# KiCad board GDI-6ch.kicad_pcb (continued)
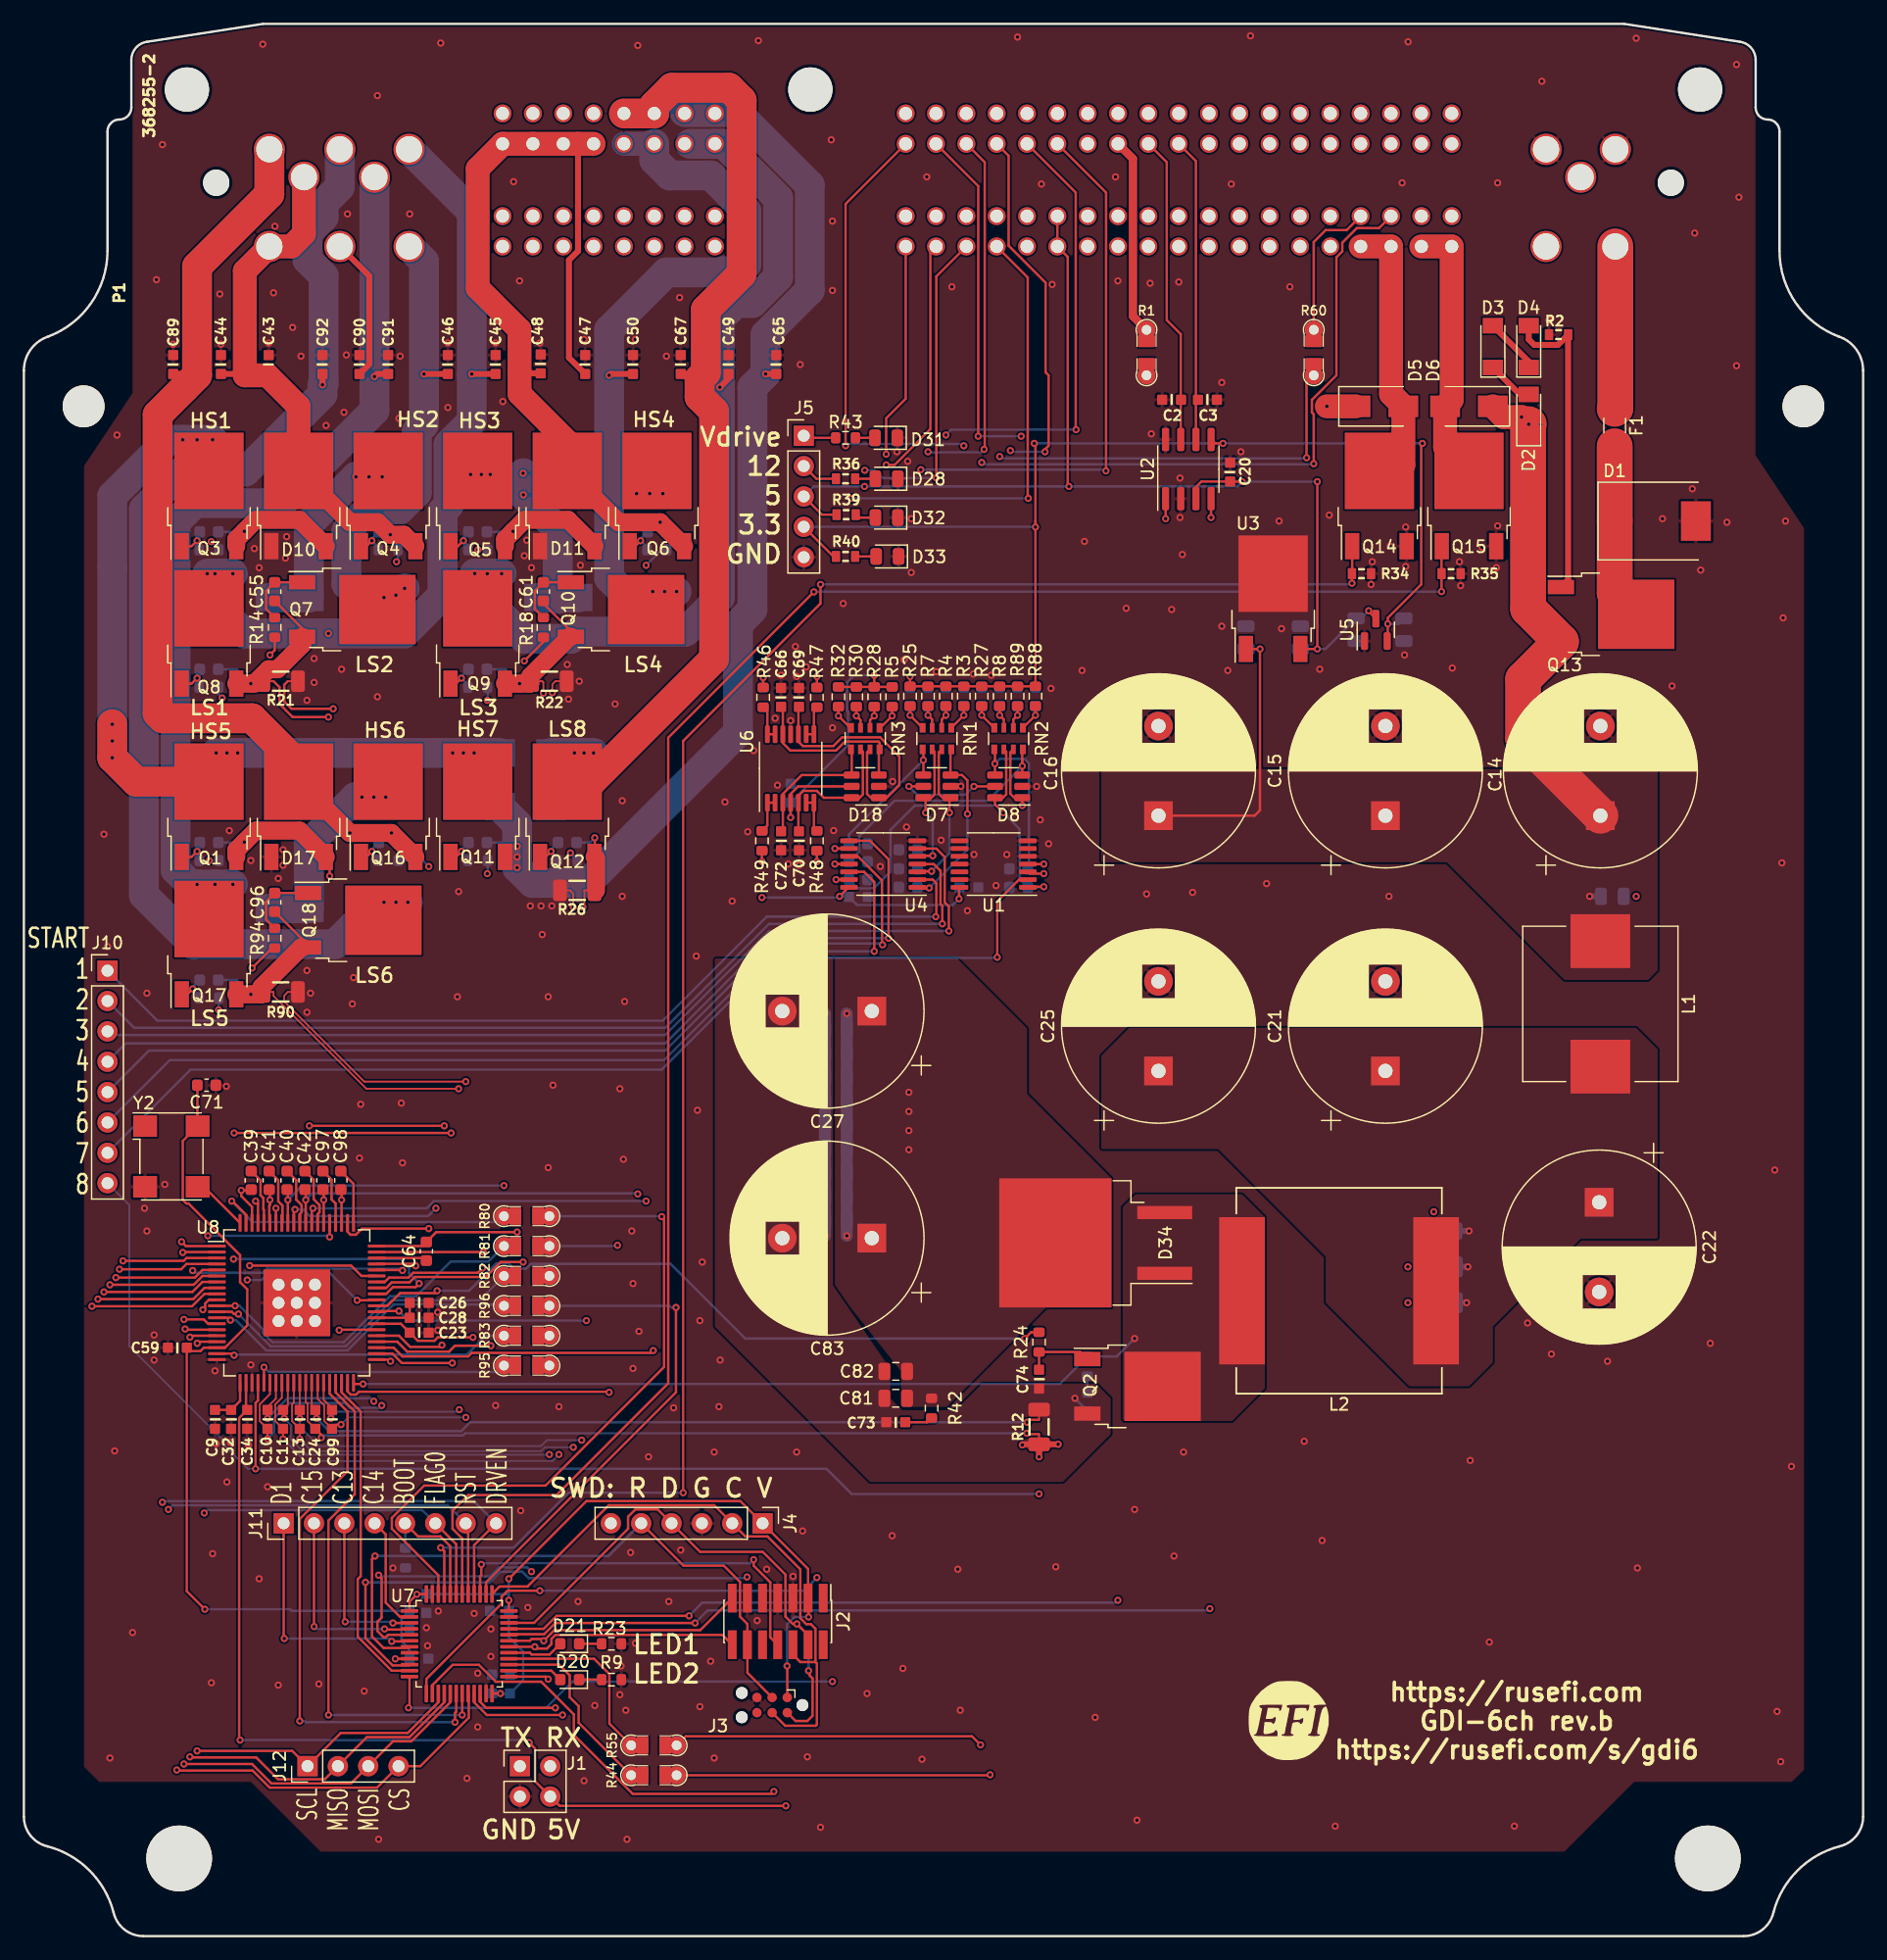
[diagram p0: board, top side]
## Footprints (pads in the part's own frame, mm; a bottom-side part is the same pattern mirrored in y, then rotated)
C0603
  rrect 0.85x0.85 smd: 1(-0.79,0) 2(0.79,0)
C_0603_1608Metric
  rrect 0.9x0.95 smd: 1(-0.775,0) 2(0.775,0)
C_0805_2012Metric
  rrect 1x1.45 smd: 1(-0.95,0) 2(0.95,0)
CP_Radial_D16.0mm_P7.50mm
  rect 2.4x2.4 hole 1.2: 1(0,0)
  round 2.4 hole 1.2: 2(7.5,0)
D_MiniMELF
  rect 1.3x1.7 smd: 1(-1.75,0) 2(1.75,0)
D_SMA
  rect 2.5x1.8 smd: 1(-2,0) 2(2,0)
D_SMB
  rect 2.5x2.3 smd: 1(-2.15,0) 2(2.15,0)
D_SMC
  rect 2.5x3.3 smd: 1(-3.4,0) 2(3.4,0)
Fuse_1206_3216Metric
  rrect 1.25x1.75 smd: 1(-1.4,0) 2(1.4,0)
L_Vishay_IHLP-6767
  rect 3.825x12.32 smd: 1(-8.123,0) 2(8.123,0)
L_Wuerth_HCI-1350
  rect 4.5x5 smd: 1(-5.25,0) 2(5.25,0)
LED_0603_1608Metric
  rrect 0.875x0.95 smd: 1(-0.787,0) 2(0.787,0)
LED_0805_2012Metric
  rrect 0.975x1.4 smd: 1(-0.938,0) 2(0.938,0)
LQFP-48_7x7mm_P0.5mm
  rrect 1.475x0.3 smd: 1(-4.162,2.75) 2(-4.162,2.25) 3(-4.162,1.75) 4(-4.162,1.25) 5(-4.162,0.75) 6(-4.162,0.25) 7(-4.162,-0.25) 8(-4.162,-0.75) 9(-4.162,-1.25) 10(-4.162,-1.75) 11(-4.162,-2.25) 12(-4.162,-2.75) 25(4.162,-2.75) 26(4.162,-2.25) 27(4.162,-1.75) 28(4.162,-1.25) 29(4.162,-0.75) 30(4.162,-0.25) 31(4.162,0.25) 32(4.162,0.75) 33(4.162,1.25) 34(4.162,1.75) 35(4.162,2.25) 36(4.162,2.75)
  rrect 0.3x1.475 smd: 13(-2.75,-4.162) 14(-2.25,-4.162) 15(-1.75,-4.162) 16(-1.25,-4.162) 17(-0.75,-4.162) 18(-0.25,-4.162) 19(0.25,-4.162) 20(0.75,-4.162) 21(1.25,-4.162) 22(1.75,-4.162) 23(2.25,-4.162) 24(2.75,-4.162) 37(2.75,4.162) 38(2.25,4.162) 39(1.75,4.162) 40(1.25,4.162) 41(0.75,4.162) 42(0.25,4.162) 43(-0.25,4.162) 44(-0.75,4.162) 45(-1.25,4.162) 46(-1.75,4.162) 47(-2.25,4.162) 48(-2.75,4.162)
LQFP-80-1EP_12x12mm_P0.5mm
  custom 0.564x0.564 smd: (-2.15,2.15) (-2.15,-2.15) (2.15,2.15) (2.15,-2.15)
  custom 0.564x0.967 smd: (-2.15,1.2) (-2.15,0) (-2.15,-1.2) (2.15,1.2) (2.15,0) (2.15,-1.2)
  custom 0.967x0.564 smd: (-1.2,2.15) (-1.2,-2.15) (0,2.15) (0,-2.15) (1.2,2.15) (1.2,-2.15)
  rrect 0.967x0.967 smd: (-1.2,1.2) (-1.2,0) (-1.2,-1.2) (0,1.2) (0,0) (0,-1.2) (1.2,1.2) (1.2,0) (1.2,-1.2)
  rrect 1.475x0.25 smd: 1(-6.688,4.75) 2(-6.688,4.25) 3(-6.688,3.75) 4(-6.688,3.25) 5(-6.688,2.75) 6(-6.688,2.25) 7(-6.688,1.75) 8(-6.688,1.25) 9(-6.688,0.75) 10(-6.688,0.25) 11(-6.688,-0.25) 12(-6.688,-0.75) 13(-6.688,-1.25) 14(-6.688,-1.75) 15(-6.688,-2.25) 16(-6.688,-2.75) 17(-6.688,-3.25) 18(-6.688,-3.75) 19(-6.688,-4.25) 20(-6.688,-4.75) 41(6.688,-4.75) 42(6.688,-4.25) 43(6.688,-3.75) 44(6.688,-3.25) 45(6.688,-2.75) 46(6.688,-2.25) 47(6.688,-1.75) 48(6.688,-1.25) 49(6.688,-0.75) 50(6.688,-0.25) 51(6.688,0.25) 52(6.688,0.75) 53(6.688,1.25) 54(6.688,1.75) 55(6.688,2.25) 56(6.688,2.75) 57(6.688,3.25) 58(6.688,3.75) 59(6.688,4.25) 60(6.688,4.75)
  rrect 0.25x1.475 smd: 21(-4.75,-6.688) 22(-4.25,-6.688) 23(-3.75,-6.688) 24(-3.25,-6.688) 25(-2.75,-6.688) 26(-2.25,-6.688) 27(-1.75,-6.688) 28(-1.25,-6.688) 29(-0.75,-6.688) 30(-0.25,-6.688) 31(0.25,-6.688) 32(0.75,-6.688) 33(1.25,-6.688) 34(1.75,-6.688) 35(2.25,-6.688) 36(2.75,-6.688) 37(3.25,-6.688) 38(3.75,-6.688) 39(4.25,-6.688) 40(4.75,-6.688) 61(4.75,6.688) 62(4.25,6.688) 63(3.75,6.688) 64(3.25,6.688) 65(2.75,6.688) 66(2.25,6.688) 67(1.75,6.688) 68(1.25,6.688) 69(0.75,6.688) 70(0.25,6.688) 71(-0.25,6.688) 72(-0.75,6.688) 73(-1.25,6.688) 74(-1.75,6.688) 75(-2.25,6.688) 76(-2.75,6.688) 77(-3.25,6.688) 78(-3.75,6.688) 79(-4.25,6.688) 80(-4.75,6.688)
  round 1.3 hole 1: 81(-1.524,1.524) 81(-1.524,0) 81(-1.524,-1.524) 81(0,1.524) 81(0,0) 81(0,-1.524) 81(1.524,1.524) 81(1.524,0) 81(1.524,-1.524)
  rect 4.5x4.5 smd far side: 81(0,0)
  rect 5.6x5.6 smd: 81(0,0)
MountingHole_3.5mm
  round 3.5 hole 3.5 unplated: (0,0)
MountingHole_5.5mm
  round 5.5 hole 5.5 unplated: (0,0)
Oscillator_SMD_Diodes_FN-4Pin_7.0x5.0mm
  rect 2x1.8 smd: 1(-2.2,2.54) 2(-2.2,-2.54) 3(2.2,-2.54) 4(2.2,2.54)
PAD-0805-PAD
  round 1.524 hole 0.813: 1(-1.905,0) 2(1.905,0)
  rrect 1x1.45 smd: 1(-0.95,0) 2(0.95,0)
PinHeader_1x04_P2.54mm_Vertical
  rect 1.7x1.7 hole 1: 1(0,0)
  oval 1.7x1.7 hole 1: 2(0,-2.54) 3(0,-5.08) 4(0,-7.62)
PinHeader_1x05_P2.54mm_Vertical
  rect 1.7x1.7 hole 1: 1(0,0)
  oval 1.7x1.7 hole 1: 2(0,-2.54) 3(0,-5.08) 4(0,-7.62) 5(0,-10.16)
PinHeader_1x06_P2.54mm_Vertical
  rect 1.7x1.7 hole 1: 1(0,0)
  oval 1.7x1.7 hole 1: 2(0,-2.54) 3(0,-5.08) 4(0,-7.62) 5(0,-10.16) 6(0,-12.7)
PinHeader_1x08_P2.54mm_Vertical
  rect 1.7x1.7 hole 1: 1(0,0)
  oval 1.7x1.7 hole 1: 2(0,-2.54) 3(0,-5.08) 4(0,-7.62) 5(0,-10.16) 6(0,-12.7) 7(0,-15.24) 8(0,-17.78)
PinHeader_2x02_P2.54mm_Vertical
  rect 1.7x1.7 hole 1: 1(0,0)
  oval 1.7x1.7 hole 1: 2(2.54,0) 3(0,-2.54) 4(2.54,-2.54)
PinHeader_2x07_P1.27mm_Vertical_SMD
  rect 2.4x0.74 smd: 1(-1.95,3.81) 2(1.95,3.81) 3(-1.95,2.54) 4(1.95,2.54) 5(-1.95,1.27) 6(1.95,1.27) 7(-1.95,0) 8(1.95,0) 9(-1.95,-1.27) 10(1.95,-1.27) 11(-1.95,-2.54) 12(1.95,-2.54) 13(-1.95,-3.81) 14(1.95,-3.81)
R0603
  rrect 0.7x0.92 smd: 1(-0.8,0) 2(0.8,0)
R_0603_1608Metric
  rrect 0.8x0.95 smd: 1(-0.825,0) 2(0.825,0)
R_0805_2012Metric
  rrect 1.025x1.4 smd: 1(-0.912,0) 2(0.912,0)
R_1206_3216Metric
  rrect 1.125x1.75 smd: 1(-1.462,0) 2(1.462,0)
R_Array_Convex_4x0603
  rect 0.8x0.5 smd: 1(-0.9,1.2) 4(-0.9,-1.2) 5(0.9,-1.2) 8(0.9,1.2)
  rect 0.8x0.4 smd: 2(-0.9,0.4) 3(-0.9,-0.4) 6(0.9,-0.4) 7(0.9,0.4)
Shunt_1206
  rrect 1.15x1.8 smd: 1(-1.45,0) 4(1.45,0)
  rrect 0.15x0.15 smd: 2(-0.6,0) 3(0.6,0)
SOIC-8_3.9x4.9mm_P1.27mm
  rrect 1.95x0.6 smd: 1(-2.475,1.905) 2(-2.475,0.635) 3(-2.475,-0.635) 4(-2.475,-1.905) 5(2.475,-1.905) 6(2.475,-0.635) 7(2.475,0.635) 8(2.475,1.905)
SOT-23
  rrect 1.475x0.6 smd: 1(-0.938,0.95) 2(-0.938,-0.95) 3(0.938,0)
SOT-23-6
  rrect 1.325x0.6 smd: 1(-1.137,0.95) 2(-1.137,0) 3(-1.137,-0.95) 4(1.137,-0.95) 5(1.137,0) 6(1.137,0.95)
Tag-Connect_TC2030-IDC-NL_2x03_P1.27mm_Vertical
  round 0.991 hole 0.991 unplated: (-2.54,0) (2.54,1.016) (2.54,-1.016)
  round 0.787 smd: 1(-1.27,-0.635) 2(-1.27,0.635) 3(0,-0.635) 4(0,0.635) 5(1.27,-0.635) 6(1.27,0.635)
TE_368255-2
  round 3.7 hole 3.7 unplated: (-6.84,13.13) (45.36,13.13) (119.86,13.13)
  round 2.2 hole 2.2 unplated: (-4.39,5.33) (117.41,5.33)
  round 2.6 hole 2.2: 1(112.76,8.13) 2(106.96,8.13) 3(109.86,5.8) 4(112.76,0) 5(106.96,0) 114(11.76,8.13) 115(5.96,8.13) 116(0.06,8.13) 117(8.86,5.8) 118(2.96,5.8) 119(11.76,0) 120(5.96,0) 121(0.06,0)
  round 1.5 hole 1.1: 6(53.34,0) 7(55.88,0) 8(58.42,0) 9(60.96,0) 10(63.5,0) 11(66.04,0) 12(68.58,0) 13(71.12,0) 14(73.66,0) 15(76.2,0) 16(78.74,0) 17(81.28,0) 18(83.82,0) 19(86.36,0) 20(88.9,0) 21(91.44,0) 22(93.98,0) 23(96.52,0) 24(99.06,0) 25(53.34,2.54) 26(55.88,2.54) 27(58.42,2.54) 28(60.96,2.54) 29(63.5,2.54) 30(66.04,2.54) 31(68.58,2.54) 32(71.12,2.54) 33(73.66,2.54) 34(76.2,2.54) 35(78.74,2.54) 36(81.28,2.54) 37(83.82,2.54) 38(86.36,2.54) 39(88.9,2.54) 40(91.44,2.54) 41(93.98,2.54) 42(96.52,2.54) 43(99.06,2.54) 44(53.34,8.59) 45(55.88,8.59) 46(58.42,8.59) 47(60.96,8.59) 48(63.5,8.59) 49(66.04,8.59) 50(68.58,8.59) 51(71.12,8.59) 52(73.66,8.59) 53(76.2,8.59) 54(78.74,8.59) 55(81.28,8.59) 56(83.82,8.59) 57(86.36,8.59) 58(88.9,8.59) 59(91.44,8.59) 60(93.98,8.59) 61(96.52,8.59) 62(99.06,8.59) 63(53.34,11.13) 64(55.88,11.13) 65(58.42,11.13) 66(60.96,11.13) 67(63.5,11.13) 68(66.04,11.13) 69(68.58,11.13) 70(71.12,11.13) 71(73.66,11.13) 72(76.2,11.13) 73(78.74,11.13) 74(81.28,11.13) 75(83.82,11.13) 76(86.36,11.13) 77(88.9,11.13) 78(91.44,11.13) 79(93.98,11.13) 80(96.52,11.13) 81(99.06,11.13) 82(37.37,11.13) 83(34.83,11.13) 84(32.29,11.13) 85(29.75,11.13) 86(27.21,11.13) 87(24.67,11.13) 88(22.13,11.13) 89(19.59,11.13) 90(37.37,8.59) 91(34.83,8.59) 92(32.29,8.59) 93(29.75,8.59) 94(27.21,8.59) 95(24.67,8.59) 96(22.13,8.59) 97(19.59,8.59) 98(37.37,2.54) 99(34.83,2.54) 100(32.29,2.54) 101(29.75,2.54) 102(27.21,2.54) 103(24.67,2.54) 104(22.13,2.54) 105(19.59,2.54) 106(37.37,0) 107(34.83,0) 108(32.29,0) 109(29.75,0) 110(27.21,0) 111(24.67,0) 112(22.13,0) 113(19.59,0)
TO-252-2
  rect 3.05x2.75 smd: (0.425,1.525) (0.425,-1.525) (3.775,1.525) (3.775,-1.525)
  rect 2.2x1.2 smd: 1(-4.2,2.28) 3(-4.2,-2.28)
  rect 6.4x5.8 smd: 2(2.1,0)
TO-263-2
  rect 4.55x5.25 smd: (0.95,2.775) (0.95,-2.775) (5.8,2.775) (5.8,-2.775)
  rect 4.6x1.1 smd: 1(-5.775,2.54) 3(-5.775,-2.54)
  rect 9.4x10.8 smd: 2(3.375,0)
TSSOP-14_4.4x5mm_P0.65mm
  rrect 1.475x0.4 smd: 1(-2.862,1.95) 2(-2.862,1.3) 3(-2.862,0.65) 4(-2.862,0) 5(-2.862,-0.65) 6(-2.862,-1.3) 7(-2.862,-1.95) 8(2.862,-1.95) 9(2.862,-1.3) 10(2.862,-0.65) 11(2.862,0) 12(2.862,0.65) 13(2.862,1.3) 14(2.862,1.95)

## Nets
+3V3: C1.2 C12.2 C59.2 C68.2 C71.2 C75.2 C76.2 C77.2 C78.2 C79.2 C86.2 D7.5 D8.5 J2.3 J3.1 J4.1 J5.4 R3.1 R4.1 R7.1 R8.1 R25.1 R27.1 R40.2 R88.1 R89.1 U1.14 U2.5 U4.14 U5.2 U7.1 U7.9 U7.24 U7.36 U7.48 U8.18 Y2.4
+5V: C8.2 C20.2 C31.2 C33.2 C34.2 D18.5 J1.4 J5.3 P1.11 P1.30 R5.1 R28.1 R30.1 R32.1 R39.2 U2.3 U3.3 U5.3 U6.4 U8.22
/VCCP: C26.2 C28.2 U8.48
GND: C1.1 C2.2 C3.1 C4.1 C5.1 C6.1 C7.1 C8.1 C9.1 C12.1 C14.2 C15.2 C16.2 C17.2 C18.1 C19.1 C20.1 C21.2 C22.2 C23.1 C25.2 C26.1 C28.1 C29.1 C30.1 C31.1 C32.1 C33.1 C34.1 C35.1 C36.1 C37.1 C38.1 C43.1 C44.1 C45.1 C46.1 C47.1 C48.1 C49.1 C50.1 C51.1 C59.1 C65.1 C66.1 C67.1 C68.1 C69.1 C70.1 C71.1 C72.1 C75.1 C76.1 C77.1 C78.1 C79.1 C80.2 C84.1 C85.1 C86.1 C87.1 C88.1 C89.1 C90.1 C91.1 C92.1 D1.2 D7.2 D8.2 D10.1 D11.1 D15.2 D17.1 D18.2 D28.1 D31.1 D32.1 D33.1 J1.3 J2.5 J2.7 J2.11 J3.5 J4.3 J5.5 P1.1 P1.2 Q14.3 Q15.3 R2.1 R6.2 R9.2 R12.4 R21.4 R22.4 R23.1 R26.4 R29.2 R31.2 R33.2 R34.1 R35.1 R45.2 R50.1 R51.1 R52.1 R53.1 R54.2 R90.4 R98.2 U1.5 U1.7 U1.9 U1.11 U1.13 U2.2 U2.8 U3.2 U4.7 U5.1 U6.11 U7.8 U7.23 U7.35 U7.47 U8.20 U8.23 U8.81 Y2.2
+BATT: C4.2 C14.1 C15.1 C16.1 C17.1 C23.2 D2.1 D5.1 D6.1 D16.1 J5.2 L1.1 Q1.2 Q3.2 Q5.2 Q11.2 Q13.3 R1.2 R36.2 U3.1 U8.47
/+Batt_filtered: C21.1 C22.1 C25.1 C80.1 L1.2 L2.1 R45.1 R98.1
/A0: R46.1 R50.2 U7.10
/A1: R47.1 R51.2 U7.12
/A2: R48.1 R52.2 U7.13
/A3: R49.1 R53.2 U7.14
/Boot0: J11.5 R54.1 U7.44
/C13: J11.4 U7.2
/C14: J11.3 U7.3
/C15: J11.2 U7.4
/CAN_H: C2.1 P1.52 U2.7
/CAN_L: C3.2 P1.53 U2.6
/CAN_RX: U2.4 U7.32
/CAN_TX: U2.1 U7.33
/CLK: U8.80 Y2.3
/CSB: J12.4 U7.20 U8.14
/D1: J11.1 U7.6
/DBG: R83.2 U7.25
/DRVEN: J11.8 U7.40 U8.1
/FLAG_0: J11.6 U7.43 U8.10
/FLAG_1: R81.2 U7.21
/FLAG_2: R82.2 U7.22
/FLAG_3: R96.2 U7.38
/FLAG_4: R95.2 U7.5
/H1: C41.2 C43.2 C44.2 C53.1 D10.2 P1.118 P1.121 Q4.3 U8.75
/H3: C42.2 C47.2 C48.2 C57.1 D11.2 P1.94 P1.95 P1.96 P1.97 Q6.3 U8.69
/H5: C89.2 C90.2 C94.1 C98.2 D17.2 P1.116 P1.120 Q16.3 U8.63
/H7: C62.1 C64.2 C65.2 D15.1 P1.82 P1.83 Q11.3 U8.60
/IN_A0: P1.6 R5.2 R6.1 RN3.1
/IN_A1: P1.7 R28.2 R29.1 RN3.2
/IN_A2: P1.8 R30.2 R31.1 RN3.3
/IN_A3: P1.9 R32.2 R33.1 RN3.4
/IN_INJ1: C5.2 P1.44 R3.2 RN1.1
/IN_INJ2: C6.2 P1.48 R4.2 RN1.2
/IN_INJ3: C7.2 P1.46 R7.2 RN1.3
/IN_INJ4: C19.2 P1.49 R25.2 RN1.4
/IN_INJ5: C84.2 P1.45 R88.2 RN2.1
/IN_INJ6: C85.2 P1.47 R89.2 RN2.2
/IN_PUMP1: C29.2 P1.41 R27.2 R55.1 RN2.4
/IN_PUMP2: C18.2 R8.2 R44.1 R60.2 RN2.3
/IRQ: R80.2 U7.46
/L1: C45.2 D9.2 P1.114 Q8.2 U8.46
/L2: C46.2 D12.2 P1.119 Q7.2 U8.45
/L3: C49.2 D13.2 P1.90 P1.91 Q9.2 U8.44
/L4: C50.2 D14.2 P1.92 P1.93 Q10.2 U8.43
/L5: C91.2 D19.2 P1.117 Q17.2 U8.42
/L6: C92.2 D22.2 P1.115 Q18.2 U8.41
/L7: C67.2 D16.2 P1.84 P1.85 Q12.2 U8.39
/LED_GREEN: D21.2 U7.29
/LS1: Q14.1 R34.2 U7.45
/LS2: Q15.1 R35.2 U7.42
/MISO: J12.2 U7.16 U8.16
/MOSI: J12.3 U7.17 U8.15
/nRESET: J2.12 J3.3 J4.5 U7.7
/OA_1: U7.18 U8.36
/OA_2: U7.19 U8.37
/OA_3: U7.11 U8.38
/OUT_LS1: D5.2 P1.21 P1.22 Q14.2
/OUT_LS2: D6.2 P1.23 P1.24 Q15.2
/RESETB: J11.7 U7.41 U8.2
/SCLK: J12.1 U7.15 U8.17
/START1: J10.1 U4.2 U8.3
/START2: J10.2 U4.4 U8.4
/START3: J10.3 U4.6 U8.5
/START4: J10.4 U4.8 U8.6
/START5: J10.5 U4.10 U8.7
/START6: J10.6 U4.12 U8.8
/START7: J10.7 U1.2 U8.9
/START8: J10.8 U1.4 U8.24
/SWCLK: J2.6 J3.4 J4.2 U7.37
/SWDIO: J2.4 J3.2 J4.4 U7.34
/SWO: J2.8 U7.39
/UART_RX: J1.2 J2.13 U7.31
/UART_TX: J1.1 J2.14 U7.30
/Vdrive_coil: D34.1 D34.3 L2.2 Q2.2 R38.2 U8.40
/Vdrive_shunt: C27.2 C60.1 C73.1 C74.1 C81.2 C82.2 C83.2 Q2.3 R12.1 R97.2 R99.2 R100.2 R101.2 R102.2 R103.2 R104.2 R105.2 R106.2
Vdrive: C27.1 C81.1 C82.1 C83.1 D9.1 D12.1 D13.1 D14.1 D19.1 D22.1 D34.2 J5.1 Q4.2 Q6.2 Q16.2 R42.2 R43.2 R97.1 R99.1 R100.1 R101.1 R102.1 R103.1 R104.1 R105.1 R106.1 U8.57
Net-(C60-Pad2): C60.2 R38.1
Net-(C73-Pad2): C73.2 R42.1
Net-(D1-A1): D1.1 F1.2 Q13.2
Net-(D2-A): D2.2 D3.1
Net-(D3-A): D3.2 D4.1
Net-(D4-A): D4.2 Q13.1 R2.2
Net-(D20-A): D20.2 U7.26
Net-(D20-K): D20.1 R9.1
Net-(D21-K): D21.1 R23.2
Net-(D28-A): D28.2 R36.1
Net-(D31-A): D31.2 R43.1
Net-(D32-A): D32.2 R39.1
Net-(D33-A): D33.2 R40.1
Net-(F1-Pad1): F1.1 P1.4
Net-(P1-Pad40): P1.40 R60.1
Net-(P1-Pad51): P1.51 R1.1
Net-(Q1-G): C93.2 Q1.1 R91.2
Net-(Q1-S): C93.1 C97.2 D17.3 Q1.3 U8.66
Net-(Q2-G): C74.2 Q2.1 R24.1
Net-(Q3-G): C52.2 Q3.1 R10.2
Net-(Q3-S): C39.2 C52.1 D10.3 Q3.3 U8.78
Net-(Q4-G): C53.2 Q4.1 R11.2
Net-(Q5-G): C56.2 Q5.1 R15.2
Net-(Q5-S): C40.2 C56.1 D11.3 Q5.3 U8.72
Net-(Q6-G): C57.2 Q6.1 R16.2
Net-(Q7-G): C55.2 Q7.1 R14.2
Net-(Q7-S): C54.1 C55.1 Q7.3 Q8.3 R21.1
Net-(Q8-G): C54.2 Q8.1 R13.2
Net-(Q9-G): C58.2 Q9.1 R17.2
Net-(Q10-G): C61.2 Q10.1 R18.2
Net-(Q10-S): C58.1 C61.1 Q9.3 Q10.3 R22.1
Net-(Q11-G): C62.2 Q11.1 R19.2
Net-(Q12-G): C63.2 Q12.1 R20.2
Net-(Q12-S): C63.1 Q12.3 R26.1
Net-(Q16-G): C94.2 Q16.1 R92.2
Net-(Q17-G): C95.2 Q17.1 R93.2
Net-(Q17-S): C95.1 C96.1 Q17.3 Q18.3 R90.1
Net-(Q18-G): C96.2 Q18.1 R94.2
Net-(RN1-R1.2): C30.2 D7.3 RN1.8 U4.1
Net-(RN1-R2.2): C35.2 D7.1 RN1.7 U4.3
Net-(RN1-R3.2): C36.2 D7.6 RN1.6 U4.5
Net-(RN1-R4.2): C38.2 D7.4 RN1.5 U4.9
Net-(RN2-R1.2): C87.2 D8.3 RN2.8 U4.11
Net-(RN2-R2.2): C88.2 D8.1 RN2.7 U4.13
Net-(RN2-R3.2): C37.2 D8.6 RN2.6 U1.1
Net-(RN2-R4.2): C51.2 D8.4 RN2.5 U1.3
Net-(RN3-R1.2): C66.2 D18.3 RN3.8 U6.12
Net-(RN3-R2.2): C69.2 D18.1 RN3.7 U6.10
Net-(RN3-R3.2): C70.2 D18.6 RN3.6 U6.5
Net-(RN3-R4.2): C72.2 D18.4 RN3.5 U6.3
Net-(U6A--): R49.2 U6.1 U6.2
Net-(U6B--): R48.2 U6.6 U6.7
Net-(U6C--): R47.2 U6.8 U6.9
Net-(U6D--): R46.2 U6.13 U6.14
Net-(U7-PB14): R44.2 U7.27
Net-(U7-PB15): R55.2 U7.28
Net-(U8-B_HS1): C39.1 U8.76
Net-(U8-B_HS2): C41.1 U8.73
Net-(U8-B_HS3): C40.1 U8.70
Net-(U8-B_HS4): C42.1 U8.67
Net-(U8-B_HS5): C97.1 U8.64
Net-(U8-B_HS6): C98.1 U8.61
Net-(U8-B_HS7): C64.1 U8.58
Net-(U8-DBG/FLAG_15): R83.1 U8.19
Net-(U8-FLAG1/EXTFW2): R81.1 U8.11
Net-(U8-FLAG2/EXTFW3): R82.1 U8.12
Net-(U8-FLAG3/EXTFW4): R96.1 U8.13
Net-(U8-G_HS1): R10.1 U8.77
Net-(U8-G_HS2): R11.1 U8.74
Net-(U8-G_HS3): R15.1 U8.71
Net-(U8-G_HS4): R16.1 U8.68
Net-(U8-G_HS5): R91.1 U8.65
Net-(U8-G_HS6): R92.1 U8.62
Net-(U8-G_HS7): R19.1 U8.59
Net-(U8-G_LS1): R13.1 U8.56
Net-(U8-G_LS2): R14.1 U8.55
Net-(U8-G_LS3): R17.1 U8.54
Net-(U8-G_LS4): R18.1 U8.53
Net-(U8-G_LS5): R93.1 U8.52
Net-(U8-G_LS6): R94.1 U8.51
Net-(U8-G_LS7): R24.2 U8.50
Net-(U8-G_LS8): R20.1 U8.49
Net-(U8-IRQ/FLAG_13): R80.1 U8.79
Net-(U8-VCC2P5): C9.2 C32.2 U8.21
Net-(U8-VSENSEN1): C10.1 R21.3 U8.26
Net-(U8-VSENSEN2): C11.1 R22.3 U8.28
Net-(U8-VSENSEN3): C13.1 R26.3 U8.30
Net-(U8-VSENSEN5): C24.1 R12.3 U8.32
Net-(U8-VSENSEN6): C99.1 R90.3 U8.34
Net-(U8-VSENSEP1): C10.2 R21.2 U8.27
Net-(U8-VSENSEP2): C11.2 R22.2 U8.29
Net-(U8-VSENSEP3): C13.2 R26.2 U8.31
Net-(U8-VSENSEP4/FLAG_4): R95.1 U8.25
Net-(U8-VSENSEP5): C24.2 R12.2 U8.33
Net-(U8-VSENSEP6): C99.2 R90.2 U8.35

Pads without a net: J2 1 2 9 10; J3 6; J4 6; P1 3 5 10 12 13 14 15 16 17 18 19 20 25 26 27 28 29 31 32 33 34 35 36 37 38 39 42 43 50 54 55 56 57 58 59 60 61 62 63 64 65 66 67 68 69 70 71 72 73 74 75 76 77 78 79 80 81 86 87 88 89 98 99 100 101 102 103 104 105 106 107 108 109 110 111 112 113; U1 6 8 10 12; Y2 1

## Via types
v1: diameter 0.6, hole 0.3, Top to Bottom, 647 vias

## Routing (per net, layer and track width the routed paths; a pad name or vN(x,y) marks a point on that pad's centre or on a via; arc(x,y) is an arc through that point)
+3V3: length 353.4
  Top w0.2: U7.1 32.29,27.99 v1(32.9,28.6) 32.92,28.62 U7.48 ; v1(117.1,124.9) 117,124.8 117,113.1 114.2,110.3 v1(114.2,109.8) 114.2,108.41 U5.2 ; v1(15.15,27.35) 13.64,28.86 C59.2 13.93,48.95 14.78,48.95 15.07,49.24 U8.18 16.84,49.24 18.7,51.09 18.7,54.12 18.1,54.72 18.1,56.98 13.78,61.3 13.6,61.3 13.3,61.6 13.3,66.53 Y2.4 14.52,67.8 C71.2 ; v1(31.1,23.2) 31.11,23.21 U7.9 ; v1(78.3,86.8) 78.3,87.71 U1.14 ; v1(63.9,22.6) 63.92,22.58 J3.1 ; v1(84.6,124.9) 84.7,124.8 84.7,118.4 ; v1(84.7,117.9) 84.7,118.4 ; 84.7,118.4 R88.1 R25.1 v1(74.2,105.4) ; J5.4 67.78,115.44 R40.2 ; v1(100.4,124.9) 99.73,124.9 U2.5 ; v1(65.7,26.7) 65.7,28.24 J2.3 65.66,30.73 J4.1 59.99,36.4 47.1,36.4 v1(40.6,29.9) ; U7.36 40.61,28.09 v1(40.6,28.1) ; v1(39.9,20.3) 39.9,20.3 U7.24 ; v1(68.3,87) 69.05,87.75 U4.14 ; D7.5 v1(74.1,96.2) ; D8.5 v1(79.55,96.2)
  PWR w0.2: v1(78.3,86.8) 78.3,94.95 v1(79.55,96.2) ; J4.1 61,35.39 61,86.1 v1(61.8,86.9) ; v1(74.1,96.2) 73.65,96.65 73.65,104.85 v1(74.2,105.4)
  Bottom w0.2: C68.2 115.09,109.8 v1(114.2,109.8) ; v1(117.1,124.9) v1(100.4,124.9) v1(84.6,124.9) ; U1.14 78.34,86.84 v1(78.3,86.8) 77.77,86.27 69.76,86.27 C1.2 69.04,87 v1(68.3,87) 68.2,86.9 v1(61.8,86.9) ; v1(31.1,23.2) 32.28,23.2 U7.9 32.29,24.01 31.61,24.69 31.61,26.53 U7.1 ; U7.1 32.29,27.99 v1(32.9,28.6) 33.68,28.6 U7.48 40.58,28.62 40.6,28.6 ; U7.1 22.43,27.21 22.29,27.35 v1(15.15,27.35) ; v1(65.7,26.7) 64.52,26.7 63.9,26.08 v1(63.9,22.6) ; U7.24 39.2,20.3 v1(39.9,20.3) C12.2 41.8,21.4 41.8,23.8 40.61,24.99 U7.36 40.6,27.22 v1(40.6,28.1) 40.6,28.6 ; J5.4 84.68,117.92 v1(84.7,117.9) ; 40.6,28.6 v1(40.6,29.9) ; v1(79.55,96.2) 78.85,95.5 74.8,95.5 v1(74.1,96.2)
+5V: length 307.3
  Top w0.2: v1(18.1,16.4) 18.02,16.48 18.02,43.35 C34.2 18.6,44.13 U8.22 ; v1(108.3,121.7) v1(108.3,107.7) U3.3 ; v1(87.5,121.3) 87.4,121.4 87.4,140.51 P1.11 P1.30 ; D18.5 64.82,96.2 64.2,95.57 U6.4 v1(64.2,93.6) ; U2.3 98.13,121.25 98.59,121.71 C20.2 101.01,121.7 v1(102,121.7) ; J5.3 66.82,118.94 R39.2 ; v1(63.8,10.9) 44.85,10.9 J1.4 42.8,12.95 42.8,15.7 v1(42.3,16.2) ; R28.1 v1(71.2,105.5) ; R5.1 R32.1 ; v1(112.6,110.9) 112.6,110.84 U5.3
  PWR w0.2: v1(70.39,121.3) 71.2,120.48 v1(71.2,105.5) ; v1(63.8,10.9) 63.35,11.35 63.35,42.05 62,43.4 62,85.1 63.35,86.45 63.35,92.75 v1(64.2,93.6)
  Bottom w0.2: v1(42.3,16.2) 42.1,16.4 v1(18.1,16.4) ; v1(64.2,93.6) U6.4 69,99.64 69,102.46 68.92,102.53 68.92,104.92 69.51,105.5 v1(71.2,105.5) ; U3.3 v1(108.3,107.7) 108.99,107.7 C33.2 111.96,110.26 v1(112.6,110.9) ; J5.3 66.14,121.3 101.6,121.3 v1(102,121.7) v1(108.3,121.7)
/VCCP: length 4
  Top w0.2: U8.48 C28.2 C26.2
GND: length 4.1
  Top w0.5: v1(86.6,41.15) R12.4 ; R12.4 v1(85,40.1) ; R12.4 83.65,41.15 v1(83.6,41.1)
  vias: v1(6.7,92.2) v1(7,82.8) v1(7.2,14.9) v1(7.6,40.6) v1(7.8,125.6) v1(9.1,25.4) v1(10.1,60.9) v1(10.3,78.9) v1(10.3,59) v1(10.9,50.3) v1(10.9,48.2) v1(11.1,138.6) v1(11.6,149.9) v1(11.8,62.9) v1(12.5,133.2) v1(15.7,21.2) v1(15.8,32) v1(16,47.3) v1(16.1,41.2) v1(16.4,137.4) v1(16.5,133.2) v1(16.95,71.1) v1(17,38) v1(17.2,92.5) v1(17.3,41.3) v1(18.8,41.1) v1(19,90) v1(19,47.8) v1(19.3,116.1) v1(19.7,114.5) v1(19.7,29.9) v1(20,158.3) v1(20.4,37.6) v1(20.5,133.3) v1(20.9,137.5) v1(21.02,143.06) v1(21.3,88.5) v1(21.3,21) v1(21.7,90.9) v1(21.7,89.6) v1(21.9,115.3) v1(22,117.1) v1(22.5,134.6) v1(23.2,132.2) v1(23.7,103.4) v1(23.7,80.8) v1(23.7,77.3) v1(24,78.9) v1(24.3,106.9) v1(24.3,104.9) v1(24.7,21.1) v1(25.3,126.4) v1(26.6,106) v1(26.8,127.5) v1(27,132.3) v1(27.1,144.1) v1(27.5,78) v1(27.6,80.2) v1(28.1,65.1) v1(28.2,69.6) v1(28.5,20.5) v1(29.6,154) v1(29.6,103.7) v1(29.7,8.1) v1(30.9,30.8) v1(31.4,127) v1(31.5,132.2) v1(31.6,69.7) v1(31.7,64.7) v1(32.3,144.1) v1(33.7,25.8) v1(33.8,24.3) v1(34.65,52.2) v1(34.65,50.7) v1(34.7,27.2) v1(34.9,158.4) v1(35.5,133.3) v1(35.5,127.9) v1(36.3,78.6) v1(36.4,87.4) v1(37.1,13.2) v1(37.7,27) v1(38,22) v1(38,17.5) v1(39.1,25.7) v1(39.1,23.4) v1(39.5,133.3) v1(39.5,44.4) v1(40.1,128.4) v1(41,146.8) v1(41.5,138.5) v1(41.6,35.6) v1(41.9,115.5) v1(42.1,116.8) v1(42.2,27.5) v1(42.4,86.2) v1(42.5,114.5) v1(43.2,133.3) v1(43.3,86.2) v1(43.4,83.8) v1(43.9,78.6) v1(43.9,64.3) v1(44.2,86.2) v1(44.3,71.2) v1(44.8,44.3) v1(45.5,106.4) v1(45.6,103.5) v1(46.4,28) v1(46.5,105) v1(46.6,114.7) v1(46.9,133.6) v1(46.9,13) v1(47.8,19.3) v1(49.5,103.1) v1(49.9,70.9) v1(49.9,20.2) v1(50,22.6) v1(50.1,95) v1(50.1,87) v1(50.2,65) v1(50.3,78.2) v1(50.4,18.9) v1(50.5,8.1) v1(50.8,32.1) v1(50.9,59) v1(51,54.6) v1(51,47.5) v1(51.2,133.6) v1(51.2,24.5) v1(51.4,158.2) v1(51.5,50.6) v1(52.3,40.1) v1(53.8,132.2) v1(54,28) v1(54.4,44.2) v1(54.9,137.1) v1(55,32.3) v1(56.3,82) v1(56.4,69.1) v1(56.6,51.5) v1(56.6,19.2) v1(56.8,56.4) v1(57.5,23) v1(57.8,40.5) v1(57.8,14.9) v1(58.2,44.3) v1(58.3,48.2) v1(58.7,94.9) v1(59.3,86.6) v1(60.6,92.4) v1(61.1,99.2) v1(61.4,26.4) v1(61.5,158.6) v1(62.2,30.7) v1(62.9,101.9) v1(63.1,96.3) v1(63.4,105.5) v1(64,89.7) v1(64.2,101.7) v1(64.4,30.1) v1(64.6,107.9) v1(64.7,105.4) v1(64.7,40.5) v1(64.9,89.6) v1(65,131.5) v1(65.2,33.9) v1(65.5,106.2) v1(65.6,15) v1(66.7,9.1) v1(67.6,150.3) v1(67.7,143.5) v1(67.7,137.7) v1(67.7,101.1) v1(67.8,92.5) v1(68.6,111.5) v1(70.6,20.3) v1(71.7,89.5) v1(72.74,96.61) v1(72.7,33.5) v1(73.1,124.2) v1(73.6,22.4) v1(73.7,106.8) v1(73.9,92.8) v1(74,123.4) v1(74.3,118.6) v1(74.3,114.1) v1(75.2,14.8) v1(75.6,147.2) v1(76.4,105.8) v1(76.8,91.7) v1(77.7,138) v1(78.2,30.7) v1(78.45,96.21) v1(78.4,18.9) v1(79,85.8) v1(79.5,105.6) v1(79.55,90.5) v1(81,105.5) v1(81.4,87.9) v1(82.3,90.5) v1(83.2,158.9) v1(84.8,96.2) v1(85.1,93.4) v1(85.2,146.6) v1(85.8,91.4) v1(86,104.4) v1(86.1,138.2) v1(86.4,30.9) v1(88.6,105.9) v1(88.8,116.7) v1(89.7,18.3) v1(91.4,147.2) v1(91.6,138.5) v1(92.3,111.1) v1(93,35.7) v1(93.2,9.7) v1(94,87.2) v1(94.3,138.3) v1(94.4,125.7) v1(96.1,111) v1(96.3,31.8) v1(96.7,138.4) v1(96.8,122) v1(96.8,118.7) v1(97,115.6) v1(97.1,40.5) v1(97.85,87.33) v1(100.3,130) v1(100.3,109.6) v1(100.8,105.9) v1(101.1,146.6) v1(101.9,124.2) v1(102.7,159) v1(104.05,88.07) v1(105.1,118.4) v1(105.3,109.4) v1(106,138) v1(107.2,41.4) v1(108.5,106) v1(108.7,33.1) v1(109.3,118.9) v1(109.8,9.2) v1(112.8,113.1) v1(112.9,115) v1(114.3,87) v1(114.4,116.3) v1(115.4,146.7) v1(115.6,107.2) v1(115.7,117.9) v1(115.7,114.6) v1(115.9,158.5) v1(115.88,56) v1(115.88,53) v1(118.05,60.61) v1(119.6,106.1) v1(120.2,115) v1(120.3,113) v1(121.1,39.8) v1(122.1,116.2) v1(122.7,24.6) v1(123.3,114.5) v1(123.4,146.7) v1(123.4,118) v1(124.8,9.2) v1(125.9,51.3) v1(127.1,155.2) v1(127.7,135.2) v1(127.9,48.7) v1(132.6,48.1) v1(135,158.8) v1(135,87) v1(135.1,30.8) v1(137.2,118.6) v1(138,104.6) v1(139.7,121.1) v1(139.9,142.5) v1(140.4,114.3) v1(141.2,49.6) v1(142.6,118.3) v1(143.4,156.6) v1(143.4,131.4) v1(143.6,145.5) v1(146.6,64.1) v1(146.8,18.8) v1(147.1,14.6) v1(147.2,89.8) v1(147.3,110.3) v1(147.5,118.4) v1(148,39.3)
+BATT: length 325.8
  Top w0.2: U3.1 v1(103.5,107.7) 103.5,94.2 103.05,93.75 C16.1 ; U8.47 31.56,51.24 C23.2 32.98,49.81 34.37,49.81 34.66,50.1 v1(37.6,50.1) ; J5.2 66.36,121.94 R36.2
  Top w2: v1(126,126.5) v1(125.4,127.1) 123.9,127.1 D6.1 ; v1(109.1,128) D5.1
  Top w2.5: v1(7.4,101.4) v1(7.4,98.6) 9.4,96.6 Q1.2
  Top w3: C14.1 125.53,100.22 125.53,105.15 Q13.3 125.95,111.07 125.95,126.45 v1(126,126.5)
  PWR w0.2: J5.2 67.1,124.8 67.1,127.8 ; v1(37.7,99) 37.55,98.85 37.55,55.33 37.35,55.13 37.35,50.35 v1(37.6,50.1)
  PWR w2.5: v1(126,126.5) v1(125.4,127.1) 124.5,128 v1(109.1,128) 95.52,128 94,129.52 R1.2 94,129.36 92.44,127.8 67.1,127.8 67,127.9 43.55,127.9 39.05,123.4 v1(39.05,122.3) v1(37.4,122.3) 34.95,124.75 26.7,124.75 25.55,123.6 17.4,123.6 v1(15.8,125.2) v1(13.3,125.2)
  Bottom w0.2: v1(103.5,107.7) U3.1
  Bottom w0.5: C17.1 v1(131.1,87)
  Bottom w2.5: v1(15.8,125.2) v1(13.3,125.2) 12.1,125.2 7.4,120.5 v1(7.4,101.4) v1(7.4,100) v1(7.4,98.6) ; v1(16.1,99) v1(35.9,99) D16.1
  vias: v1(14.5,125.2) v1(17,99) v1(17.9,99) v1(36.8,99) v1(38.3,122.3) v1(127,126.5)
/+Batt_filtered: length 2.9
  Bottom w0.5: R45.1 v1(120.9,56) ; C80.1 v1(121,59) ; R98.1 v1(120.8,53)
/A0: length 119.4
  Top w0.2: v1(28.6,29.6) 28.6,24.92 30.87,22.65 32.23,22.65 U7.10 ; R46.1 v1(61.9,105.3)
  PWR w0.2: v1(61.9,105.3) 61.9,90.9 60.5,89.5 60.5,30.1 v1(60.55,30.05)
  Bottom w0.2: v1(61.9,105.3) R46.1 ; v1(28.6,29.6) 39,29.6 39.9,30.5 41.72,30.5 42.27,29.95 60.45,29.95 v1(60.55,30.05)
/A1: length 127.9
  Top w0.2: v1(32.2,19.1) 32.29,19.19 U7.12 ; R47.1 v1(66.4,105.4)
  PWR w0.2: v1(66.4,105.4) 63.55,102.55 63.55,101.43 63.9,101.08 63.9,96 66.98,92.92 66.98,88.64 67.7,87.92 v1(67.7,21.3)
  Bottom w0.2: v1(32.2,19.1) 43.72,19.1 45.92,21.3 v1(67.7,21.3) ; v1(66.4,105.4) R47.1
/A2: length 99.5
  Top w0.2: v1(66.4,89.9) R48.1 ; v1(43.2,28.9) 40.5,28.9 40,28.4 40,27.82 33.7,21.52 U7.13
  PWR w0.2: v1(66.4,30) v1(66.4,89.9)
  Bottom w0.2: v1(66.4,30) 65.3,28.9 v1(43.2,28.9) ; R48.1 v1(66.4,89.9)
/A3: length 116.8
  Top w0.2: v1(61.8,89.9) R49.1 ; U7.14 34.2,21 35.9,22.7 38.1,22.7 39.52,21.28 43.31,21.28 46.05,18.55 46.05,16.82 50.97,11.9 62.6,11.9 v1(62.8,12.1)
  PWR w0.2: v1(62.8,12.1) 62.95,12.25 62.95,41.55 61.65,42.85 61.65,85.24 62.95,86.54 62.95,88.75 v1(61.8,89.9)
  Bottom w0.2: R49.1 v1(61.8,89.9)
/Boot0: length 10.7
  Top w0.2: U7.44 35.7,32.62 34.88,33.44 33.01,33.44 J11.5
  Bottom w0.2: R54.1 31.95,34.5 J11.5
/C13: length 9.5
  Top w0.2: U7.2 31.49,26.71 30.3,27.9 30.3,33.61 J11.4
/C14: length 13.7
  Top w0.2: v1(30.9,26.2) 32.28,26.2 U7.3 ; J11.3 26.83,26.37 v1(26.9,26.3)
  Bottom w0.2: v1(26.9,26.3) 30.8,26.3 v1(30.9,26.2)
/C15: length 16.8
  Top w0.2: v1(30.2,25.7) 30.25,25.65 32.23,25.65 U7.4 ; v1(24.3,25.9) 24.29,25.91 J11.2
  Bottom w0.2: v1(30.2,25.7) 24.5,25.7 v1(24.3,25.9)
/CAN_H: length 25.9
  Top w0.2: U2.7 96.86,134.04 95.69,135.21 95.69,148.43 P1.52
/CAN_L: length 25.3
  Top w0.2: P1.53 98.13,148.53 U2.6
/CAN_RX: length 152.5
  Top w0.2: U2.4 99.4,120.27 v1(99.4,118.7) ; U7.32 40.66,25.26 43.56,25.26 44.5,26.2 v1(56.2,26.2)
  PWR w0.2: v1(99.4,118.7) 99.4,27.5 v1(99.3,27.4)
  Bottom w0.2: v1(99.3,27.4) 99.15,27.25 57.25,27.25 v1(56.2,26.2)
/CAN_TX: length 145.8
  Top w0.2: v1(55.7,26.8) 44.61,26.8 43.52,25.71 U7.33 ; U2.1 95.6,120.27 v1(95.6,118.6)
  PWR w0.2: v1(95.6,118.6) 91.6,114.6 v1(91.6,28.1)
  Bottom w0.2: v1(55.7,26.8) 56.8,27.9 91.4,27.9 v1(91.6,28.1)
/CLK: length 4.8
  Top w0.2: U8.80 15.08,62.7 Y2.3
/CSB: length 70.4
  Top w0.2: v1(13.4,51.6) 15.06,51.6 15.42,51.24 U8.14 ; U7.20 37.25,20.25 37.25,18.27 33.2,14.22 J12.4 29.57,12.42 20.58,12.42 19.15,13.85 12.85,13.85 v1(12.8,13.9)
  PWR w0.2: v1(12.8,13.9) 12.8,51 v1(13.4,51.6)
/D1: length 20.3
  Top w0.2: v1(21.8,24.9) 21.75,24.95 J11.1 ; U7.6 32.24,24.66 v1(30.8,24.66)
  Bottom w0.2: v1(21.8,24.9) 30.56,24.9 v1(30.8,24.66)
/DBG: length 34
  Top w0.2: v1(43.9,21.5) 43.69,21.71 U7.25
  PWR w0.2: R83.2 45.3,48.94 45.3,47.09 43.1,44.89 43.1,39.93 44.07,38.95 44.07,21.67 v1(43.9,21.5)
/DRVEN: length 61
  Top w0.2: J11.8 37.7,32.71 U7.40 ; U8.1 13.56,57.74 v1(13.2,58.1)
  PWR w0.2: v1(11.6,36.3) 11.6,56.5 v1(13.2,58.1)
  Bottom w0.2: J11.8 37.67,36.4 11.7,36.4 v1(11.6,36.3)
/FLAG_0: length 45.3
  Top w0.2: v1(14.99,52.41) 15.17,52.6 15.17,52.93 15.48,53.24 U8.10 ; J11.6 36.2,32.79 U7.43
  PWR w0.2: v1(15.1,35.4) 15.06,35.44 15.06,52.33 v1(14.99,52.41)
  Bottom w0.2: J11.6 33.35,35.64 15.34,35.64 v1(15.1,35.4)
/FLAG_1: length 55.5
  Top w0.2: v1(45.1,18.5) 38.76,18.5 37.7,19.56 U7.21
  PWR w0.2: v1(45.1,18.5) 45.1,38.4 49.7,43 v1(49.7,57.8)
  Bottom w0.2: v1(49.7,57.8) 49.64,57.74 R81.2
/FLAG_2: length 45.4
  Top w0.2: v1(44.5,19.1) 38.7,19.1 38.2,19.6 U7.22
  PWR w0.2: v1(44.5,19.1) 44.5,39.02 43.45,40.07 43.45,44.75 45.65,46.95 45.65,53.59 R82.2
/FLAG_3: length 41.2
  Top w0.2: U7.38 38.7,29.6 54.6,45.5 v1(54.6,52.6)
  Bottom w0.2: v1(54.6,52.6) 54.2,52.6 54.06,52.74 R96.2
/FLAG_4: length 39.1
  Top w0.2: v1(29.7,30.2) 29.95,29.95 29.95,26.65 29.6,26.3 29.6,25.52 30.12,25 30.28,25 30.49,25.21 U7.5
  PWR w0.2: R95.2 42.5,46.23 v1(42.5,30.5)
  Bottom w0.2: v1(29.7,30.2) 29.8,30.1 39.01,30.1 39.76,30.85 42.15,30.85 v1(42.5,30.5)
/H1: length 108.5
  Top w0.2: U8.75 20.55,59.72 20.55,61.13 20.6,61.18 20.6,62.4 C41.2
  Top w0.5: C44.2 18.39,130.71 18.5,130.59
  Top w1.5: D10.2 27.3,118.3 29.64,118.3 v1(30.68,117.26) 31.82,117.26 Q4.3
  Top w2: D10.2 23,128 20.4,130.59 18.5,130.59 18.5,139.33 P1.121 22.39,141.38 23.45,142.44 P1.118
  PWR w0.2: v1(30.68,117.26) 22.7,109.29 22.7,67.7 20.6,65.6 v1(20.6,61.6)
  Bottom w0.2: v1(30.68,117.26) 31.04,117.26 C53.1
/H3: length 162.2
  Top w0.2: C42.2 23.6,62.4 v1(23.6,61.6) U8.69
  Top w0.5: 41.5,130.9 41.64,130.76 C48.2 ; C47.2 45.64,132.07 45.64,140.23 46.4,140.99 46.4,149.97
  Top w1.5: D11.2 49.8,118.3 v1(53.28,118.3) Q6.3
  Top w2: D11.2 45.5,125.05 41.5,129.05 41.5,134.41 38,137.91 38,147.89 P1.97 P1.96 P1.94
  PWR w0.2: v1(51.4,62.1) 51.4,114.78 53.28,116.66 v1(53.28,118.3)
  Bottom w0.2: v1(53.28,118.3) 53.77,117.81 C57.1 ; v1(51.4,62.1) 51.35,62.15 24.15,62.15 v1(23.6,61.6)
/H5: length 138.5
  Top w0.2: U8.63 v1(26.6,61.6) 26.6,62.4 C98.2
  Top w0.5: 14.5,130.59 14.39,130.71 C89.2 ; P1.120 28.92,138.91 28.92,131.53 C90.2
  Top w1.5: Q16.3 v1(30.78,92.3) v1(27.3,92.3) D17.2
  Top w2.5: D17.2 23,98 19.1,101.9 11.62,101.9 11.2,102.32 11.2,127.3 14.5,130.59 14.5,139.7 20.55,145.75 P1.116
  PWR w0.2: v1(26.6,61.6) 26.6,91.6 v1(27.3,92.3)
  PWR w2.5: P1.120 25.43,141.38 20.55,146.26 P1.116
  Bottom w0.2: C94.1 31.27,91.81 v1(30.78,92.3)
/H7: length 137.5
  Top w0.2: U8.60 33.36,57.74 C64.2 34.52,58.9 41.29,58.9 v1(41.3,58.91)
  Top w0.5: v1(62.1,130.71) C65.2
  PWR w0.2: v1(41.3,58.91) v1(41.3,89.4)
  Bottom w0.2: v1(41.3,91.2) 41,91.5 C62.1
  Bottom w2.5: 55.32,152.62 59.7,152.62 65.8,146.52 65.8,137.7 62.1,134 v1(62.1,130.71) 61,129.61 61,111 59.8,109.8 59.8,100.73 47.19,88.12 42.57,88.12 v1(41.3,89.4) 41.3,93.05 D15.1
  vias: v1(41.3,90.3)
/IN_A0: length 43.3
  Top w0.2: RN3.1 71.7,101.1 v1(72.7,102.1) R5.2 ; P1.6 73.83,128.63 72.2,127 v1(72.2,124)
  PWR w0.2: v1(72.7,102.1) 72.85,102.25 72.85,123.35 v1(72.2,124)
  Bottom w0.2: v1(72.7,102.1) R5.2
/IN_A1: length 44.5
  Top w0.2: RN3.2 70.85,101.75 v1(71.2,102.1) R28.2 ; P1.7 75.9,140.91 75.9,126.1 72.9,123.1 v1(72.2,123.1)
  PWR w0.2: v1(71.2,102.1) 72.2,103.1 v1(72.2,123.1)
  Bottom w0.2: v1(71.2,102.1) R28.2
/IN_A2: length 50.7
  Top w0.2: RN3.3 70.05,101.75 v1(69.7,102.1) R30.2 ; v1(76.4,122) 76.4,138.87 P1.8
  PWR w0.2: v1(70.41,122.65) 69.8,122.05 69.8,121.11 70.4,120.51 70.4,102.8 v1(69.7,102.1)
  Bottom w0.2: v1(69.7,102.1) R30.2 ; v1(76.4,122) 71.9,122 71.25,122.65 v1(70.41,122.65)
/IN_A3: length 59.1
  Top w0.2: RN3.4 69.2,101.1 v1(68.2,102.1) R32.2 ; P1.9 84.05,138.78 84.05,120.35 v1(84.1,120.3)
  PWR w0.2: v1(68.2,102.1) 69.8,103.7 69.8,119.8 v1(69.3,120.3)
  Bottom w0.2: v1(69.3,120.3) v1(84.1,120.3) ; v1(68.2,102.1) R32.2
/IN_INJ1: length 62.9
  Top w0.2: P1.44 68.8,144.94 v1(68.8,124.7) ; 77.65,101.15 77.7,101.15 v1(78.7,102.15) R3.2
  PWR w0.2: v1(78.7,102.15) v1(78.7,124.7)
  Bottom w0.2: v1(68.8,124.7) 68.95,124.85 78.55,124.85 v1(78.7,124.7) ; v1(78.7,102.15) R3.2
/IN_INJ2: length 62.9
  Top w0.2: R4.2 v1(77.2,102.15) 76.85,101.8 76.85,101.15 ; P1.48 88.07,145.89 88.07,126.08 v1(88.1,126.05)
  PWR w0.2: v1(77.2,102.15) v1(77.2,125.6)
  Bottom w0.2: v1(88.1,126.05) 77.65,126.05 v1(77.2,125.6) ; v1(77.2,102.15) R4.2
/IN_INJ3: length 55.8
  Top w0.2: R7.2 v1(75.7,102.15) 76.05,101.8 76.05,101.15 ; v1(80.4,124.4) 80.45,124.45 80.45,148.43 P1.46
  PWR w0.2: v1(75.7,102.15) v1(75.7,124.2)
  Bottom w0.2: v1(75.7,124.2) 75.75,124.15 80.15,124.15 v1(80.4,124.4) ; v1(75.7,102.15) R7.2
/IN_INJ4: length 68.5
  Top w0.2: R25.2 v1(74.2,102.15) 75.2,101.15 75.25,101.15 ; v1(90.6,122.6) 90.61,122.61 90.61,145.89 P1.49
  PWR w0.2: v1(74.2,102.15) 75.1,103.05 v1(75.1,122.7)
  Bottom w0.2: v1(75.1,122.7) 90.5,122.7 v1(90.6,122.6) ; v1(74.2,102.15) R25.2
/IN_INJ5: length 56.4
  Top w0.2: P1.45 79.91,146.43 79.91,125.51 v1(79.9,125.5) ; 83.65,101.15 83.7,101.15 v1(84.7,102.15) R88.2
  PWR w0.2: v1(83.5,125.5) 83.5,103.39 84.7,102.19 v1(84.7,102.15)
  Bottom w0.2: v1(84.7,102.15) R88.2 ; v1(83.5,125.5) v1(79.9,125.5)
/IN_INJ6: length 55.7
  Top w0.2: R89.2 v1(83.2,102.15) 82.85,101.8 82.85,101.15 ; P1.47 82.45,148.97 82.45,141.45 85.55,138.35 85.55,130.84 85.8,130.59 85.8,124.7 85.5,124.4 v1(85.5,124.2)
  PWR w0.2: v1(83.2,102.15) 82.6,102.75 v1(82.6,124.3)
  Bottom w0.2: v1(83.2,102.15) R89.2 ; v1(85.5,124.2) 82.7,124.2 v1(82.6,124.3)
/IN_PUMP1: length 188.9
  Top w0.2: R27.2 v1(80.2,102.15) 81.2,101.15 81.25,101.15 ; P1.41 113.47,142.92 111.62,142.92 110.39,141.69 110.39,140.96 109.9,140.47 109.9,130.59 107.85,128.55 107.85,127.48 108,127.33 v1(108,123.2) ; R55.1 55.42,16.72 79.38,16.72 v1(80.1,16)
  PWR w0.2: v1(80.1,16) 80.1,102.05 v1(80.2,102.15) v1(80.2,123.3)
  Bottom w0.2: v1(108,123.2) 107.95,123.15 80.35,123.15 v1(80.2,123.3) ; v1(80.2,102.15) R27.2
